# KiCad board storre.kicad_pcb (continued)
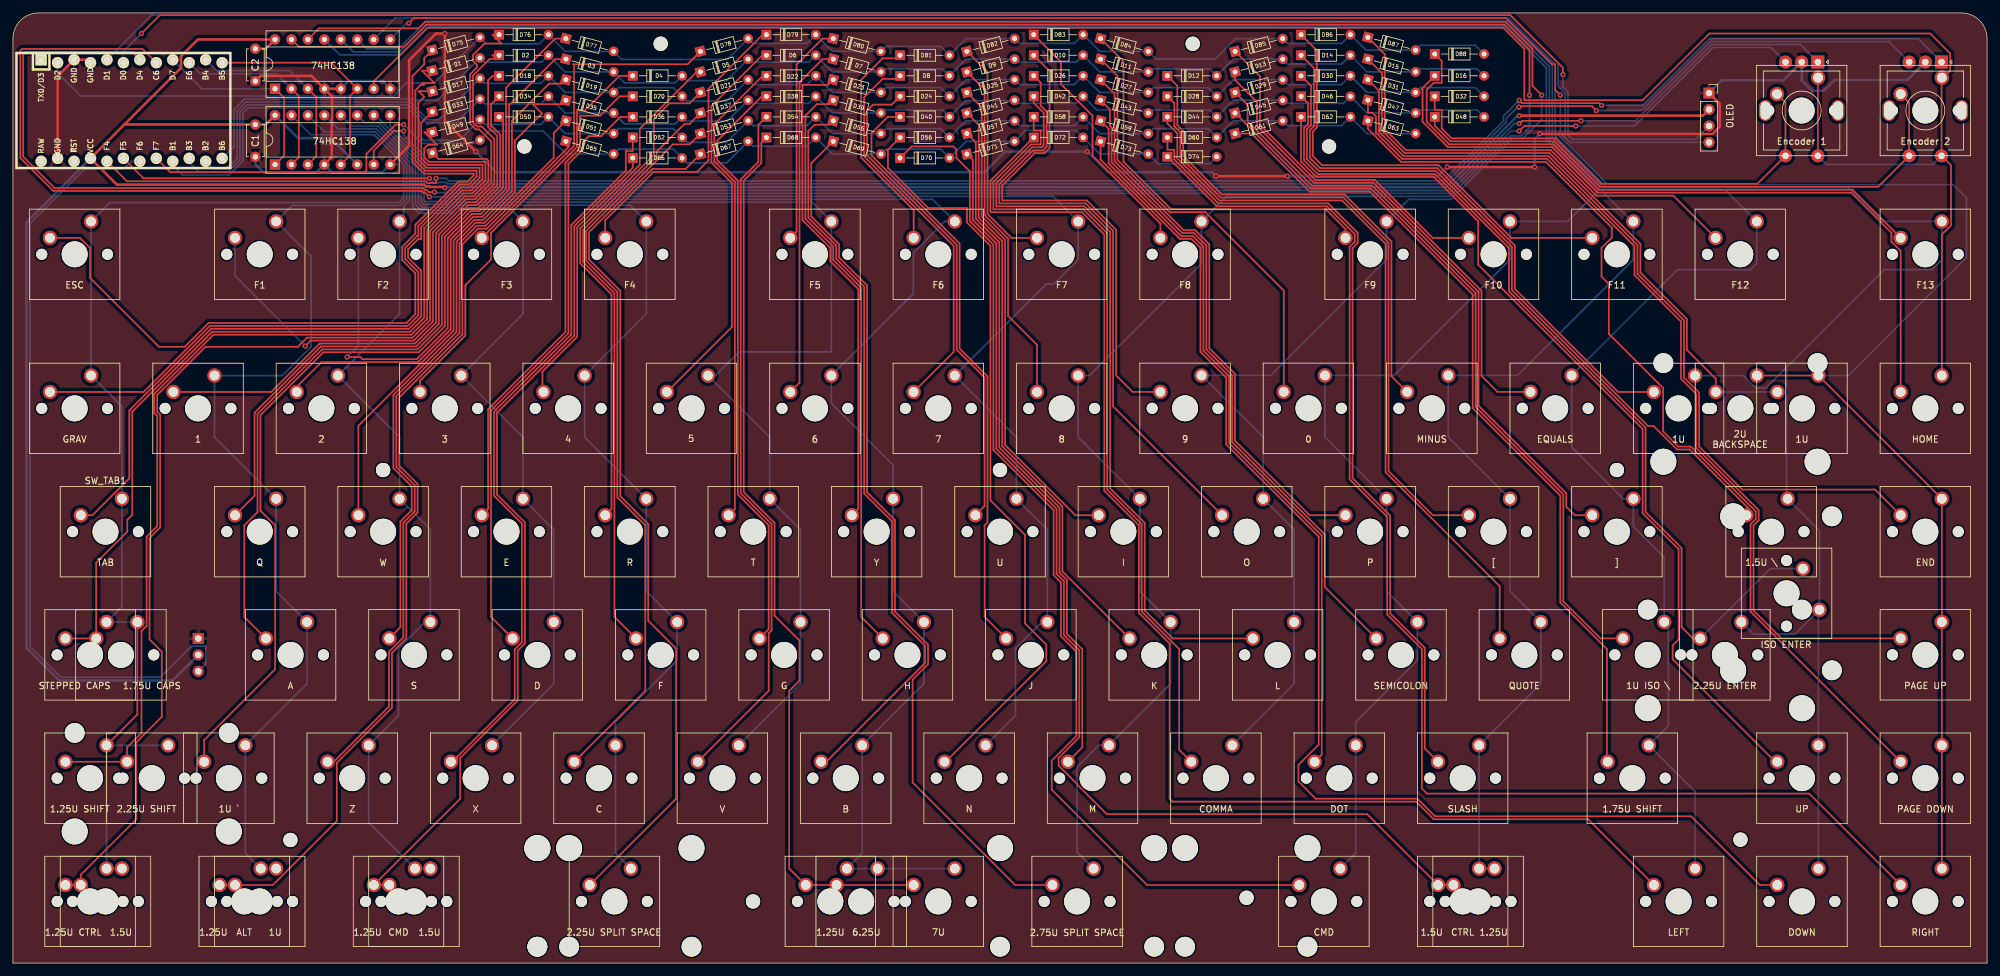
[diagram p0: board, top side]
## Routing (per net, layer and track width the routed paths; a pad name or vN(x,y) marks a point on that pad's centre or on a via; arc(x,y) is an arc through that point) (continued)
Net-(D70-K): length 162.1
  Top w0.254: SW_R_CMD1.2 175.11,12.06 160.38,26.79 160.38,31.28 164.19,35.09 164.19,48.13 161.81,50.51 161.81,58.83 160.68,59.97 160.68,70.01 151.38,79.31 151.38,111.03 147.75,114.66 147.75,122.35 145.67,124.43 145.67,125.73 145.19,126.21 138.75,126.21 D70.1
Net-(D71-K): length 171.7
  Top w0.254: SW_R_CTRL_1.25U1.2 SW_R_CTRL_1.5U1.2 209.07,23.02 168.88,23.02 164.31,27.59 164.31,27.66 161.45,30.52 161.45,31.71 164.65,34.9 164.65,48.32 162.26,50.7 162.26,59.02 161.13,60.15 161.13,70.2 151.83,79.5 151.83,111.21 148.2,114.84 148.2,124.12 D71.1
Net-(D72-K): length 205
  Top w0.254: SW_LEFT1.2 243.2,22.22 219.38,22.22 216.66,24.95 179.05,24.95 178.59,25.4 178.59,48.61 178.59,48.61 178.59,49.36 173.83,54.13 173.83,67.66 168.5,72.99 168.5,112.6 165.06,116.04 150.93,116.04 150.93,120.92 D72.1
Net-(D73-K): length 195.8
  Top w0.254: D73.1 167.93,124.17 180.19,111.91 181.96,111.91 183.35,110.52 183.35,94.46 187.32,90.49 187.32,80.17 201.61,65.88 201.61,33.77 198.48,30.64 198.48,28.07 201.15,25.4 216.84,25.4 219.56,22.68 259.1,22.68 269.72,12.06 SW_DOWN1.2
Net-(D74-K): length 204.6
  Top w0.254: SW_RIGHT1.2 277.34,26.19 218.32,26.19 217.53,26.99 217.53,48.53 212.18,53.88 212.18,68.96 206.38,74.76 206.38,110.69 207.17,111.49 207.17,112.67 202.88,116.95 185.91,116.95 D74.1
Net-(D75-K): length 124.9
  Top w0.254: D75.1 63.5,139.86 63.5,138.91 61.68,137.09 61.68,123.8 63.47,122.01 71.14,122.01 71.14,121.74 70.17,120.77 68.79,120.77 62.13,114.11 62.13,112.73 60.09,110.7 60.09,108.65 62.13,106.62 62.13,100.3 60.76,98.93 30.2,98.93 26.52,95.25 22.54,95.25 11.9,105.89 11.9,110.52 10.35,112.08 SW_ESC1.2
Net-(D76-K): length 98.6
  Top w0.254: D76.1 74.06,143.48 75.41,142.13 72.81,142.13 71.02,140.34 71.02,139.45 71.66,138.82 71.66,138.44 70.57,137.35 70.57,129.73 71.47,128.84 71.98,128.84 73.86,126.96 73.86,120.61 71.29,118.04 69.92,118.04 64.86,112.98 64.86,99.17 61.89,96.21 45.97,96.21 v1(45.13,95.37)
  Bottom w0.254: SW_FUNC1.2 34.29,106.2 v1(45.13,95.37)
Net-(D77-K): length 90.9
  Top w0.254: D77.1 83.73,142.88 76.14,135.28 76.14,127.68 76.13,127.68 76.13,119.67 72.23,115.77 70.86,115.77 67.13,112.04 67.13,98.12 62.33,93.32 53.97,93.32 53.64,93.66 v1(51.59,93.66)
  Bottom w0.254: v1(51.59,93.66) 53.34,95.41 SW_FUNC2.2
Net-(D78-K): length 53.2
  Top w0.254: D78.1 104.15,138.91 86.52,138.91 86.62,138.8 86.62,126.31 SW_FUNC3.2
Net-(D79-K): length 46
  Top w0.254: D79.1 115.76,143.48 107.39,135.11 107.39,124.06 105.61,122.28 98.91,122.28 91.44,114.81 SW_FUNC4.2
Net-(D80-K): length 34.5
  Top w0.254: SW_FUNC5.2 120.99,113.05 120.99,138.86 125.01,142.88 D80.1
Net-(D81-K): length 35.4
  Top w0.254: D81.1 136.5,139.83 134.27,139.83 130.97,136.53 130.97,124.48 139.06,116.38 SW_FUNC6.2
Net-(D82-K): length 35.6
  Top w0.254: SW_FUNC7.2 154.18,112.08 150.47,115.78 150.47,137.72 D82.1
Net-(D83-K): length 39.5
  Top w0.254: D83.1 161.81,139.28 161.81,135.85 166.68,130.98 166.68,124.78 177.16,114.29 SW_FUNC8.2
Net-(D84-K): length 60.5
  Top w0.254: D84.1 171.47,139.34 171.47,123.84 178.81,116.5 202.7,116.5 205.74,113.45 SW_FUNC9.2
Net-(D85-K): length 52.4
  Top w0.254: D85.1 192.54,137.06 192.54,129.57 201.07,121.04 210.26,121.04 219.22,112.08 224.79,112.08
Net-(D86-K): length 68.4
  Top w0.254: D86.1 201.32,141.04 201.32,129.14 200.7,128.51 200.7,124.74 202.13,123.31 220.12,123.31 231.35,112.08 SW_FUNC11.2
Net-(D87-K): length 73.3
  Top w0.254: SW_FUNC12.2 256.36,118.61 244.47,118.61 237.44,125.64 215.06,125.64 211.81,128.89 211.81,140.46 D87.1
Net-(D88-K): length 93.2
  Top w0.254: D88.1 220.6,139.42 220.6,136.05 219.39,136.05 218.28,134.94 218.28,130.02 221.76,126.55 237.82,126.55 244.85,119.52 284.03,119.52 SW_FUNC13.2

## Copper pours and planes (outline as drawn; the poured copper is in the pictures)
GND on Top: 0,147.64 -0.79,-0.79 305.59,0 305.59,147.64
GND on Bottom: -0.79,149.22 -2.38,-2.38 306.39,-2.38 307.18,148.43

## Text on the board
B.Silkscreen: Place tape under OLED / before soldering to / prevent shorts | VCC | M0 | C8 | M1 | C0 | C9 | M2 | C1 | C10 | GND | C2 | C11 | C3 | M3 | C12 | C4 | C13 | C15 | C5 | C7 | C14 | C6 | SCL | SDA | 0.1uF | JLCJLCJLCJLC | STHLM KB större v1 / design by mohoyt / sthlmkb.com | This demux powers / columns 8 to 15 | This demux powers / columns 0 to 7 | LED | For LED underglow
F.Mask: större v1
F.Silkscreen: 1.25U | STEPPED CAPS | ESC | GRAV | 1.25U SHIFT | CTRL | TAB | 1.5U | 2.25U SHIFT | 1.75U CAPS | 1 | 1U ` | ALT | F1 | Q | 1U | A | 2 | Z | F2 | W | CMD | S | 3 | X | F3 | E | D | 4 | C | 2.25U SPLIT SPACE | F4 | R | F | 5 | V | T | G | F5 | 6 | B | 6.25U | Y | H | F6 | 7 | 7U | N | U | J | F7 | 8 | 2.75U SPLIT SPACE | M | I | K | F8 | 9 | COMMA | O | L | 0 | DOT | F9 | P | SEMICOLON | MINUS | SLASH | F10 | [ | QUOTE | EQUALS | F11 | ] | 1.75U SHIFT | 1U ISO \ | LEFT | 2.25U ENTER | 2U / BACKSPACE | F12 | 1.5U \ | ISO ENTER | Encoder 1 | UP | DOWN | Encoder 2 | F13 | HOME | END | PAGE UP | PAGE DOWN | RIGHT | 74HC138 | OLED
